# Allegro board MK60_PACK_V10A.brd (continued)
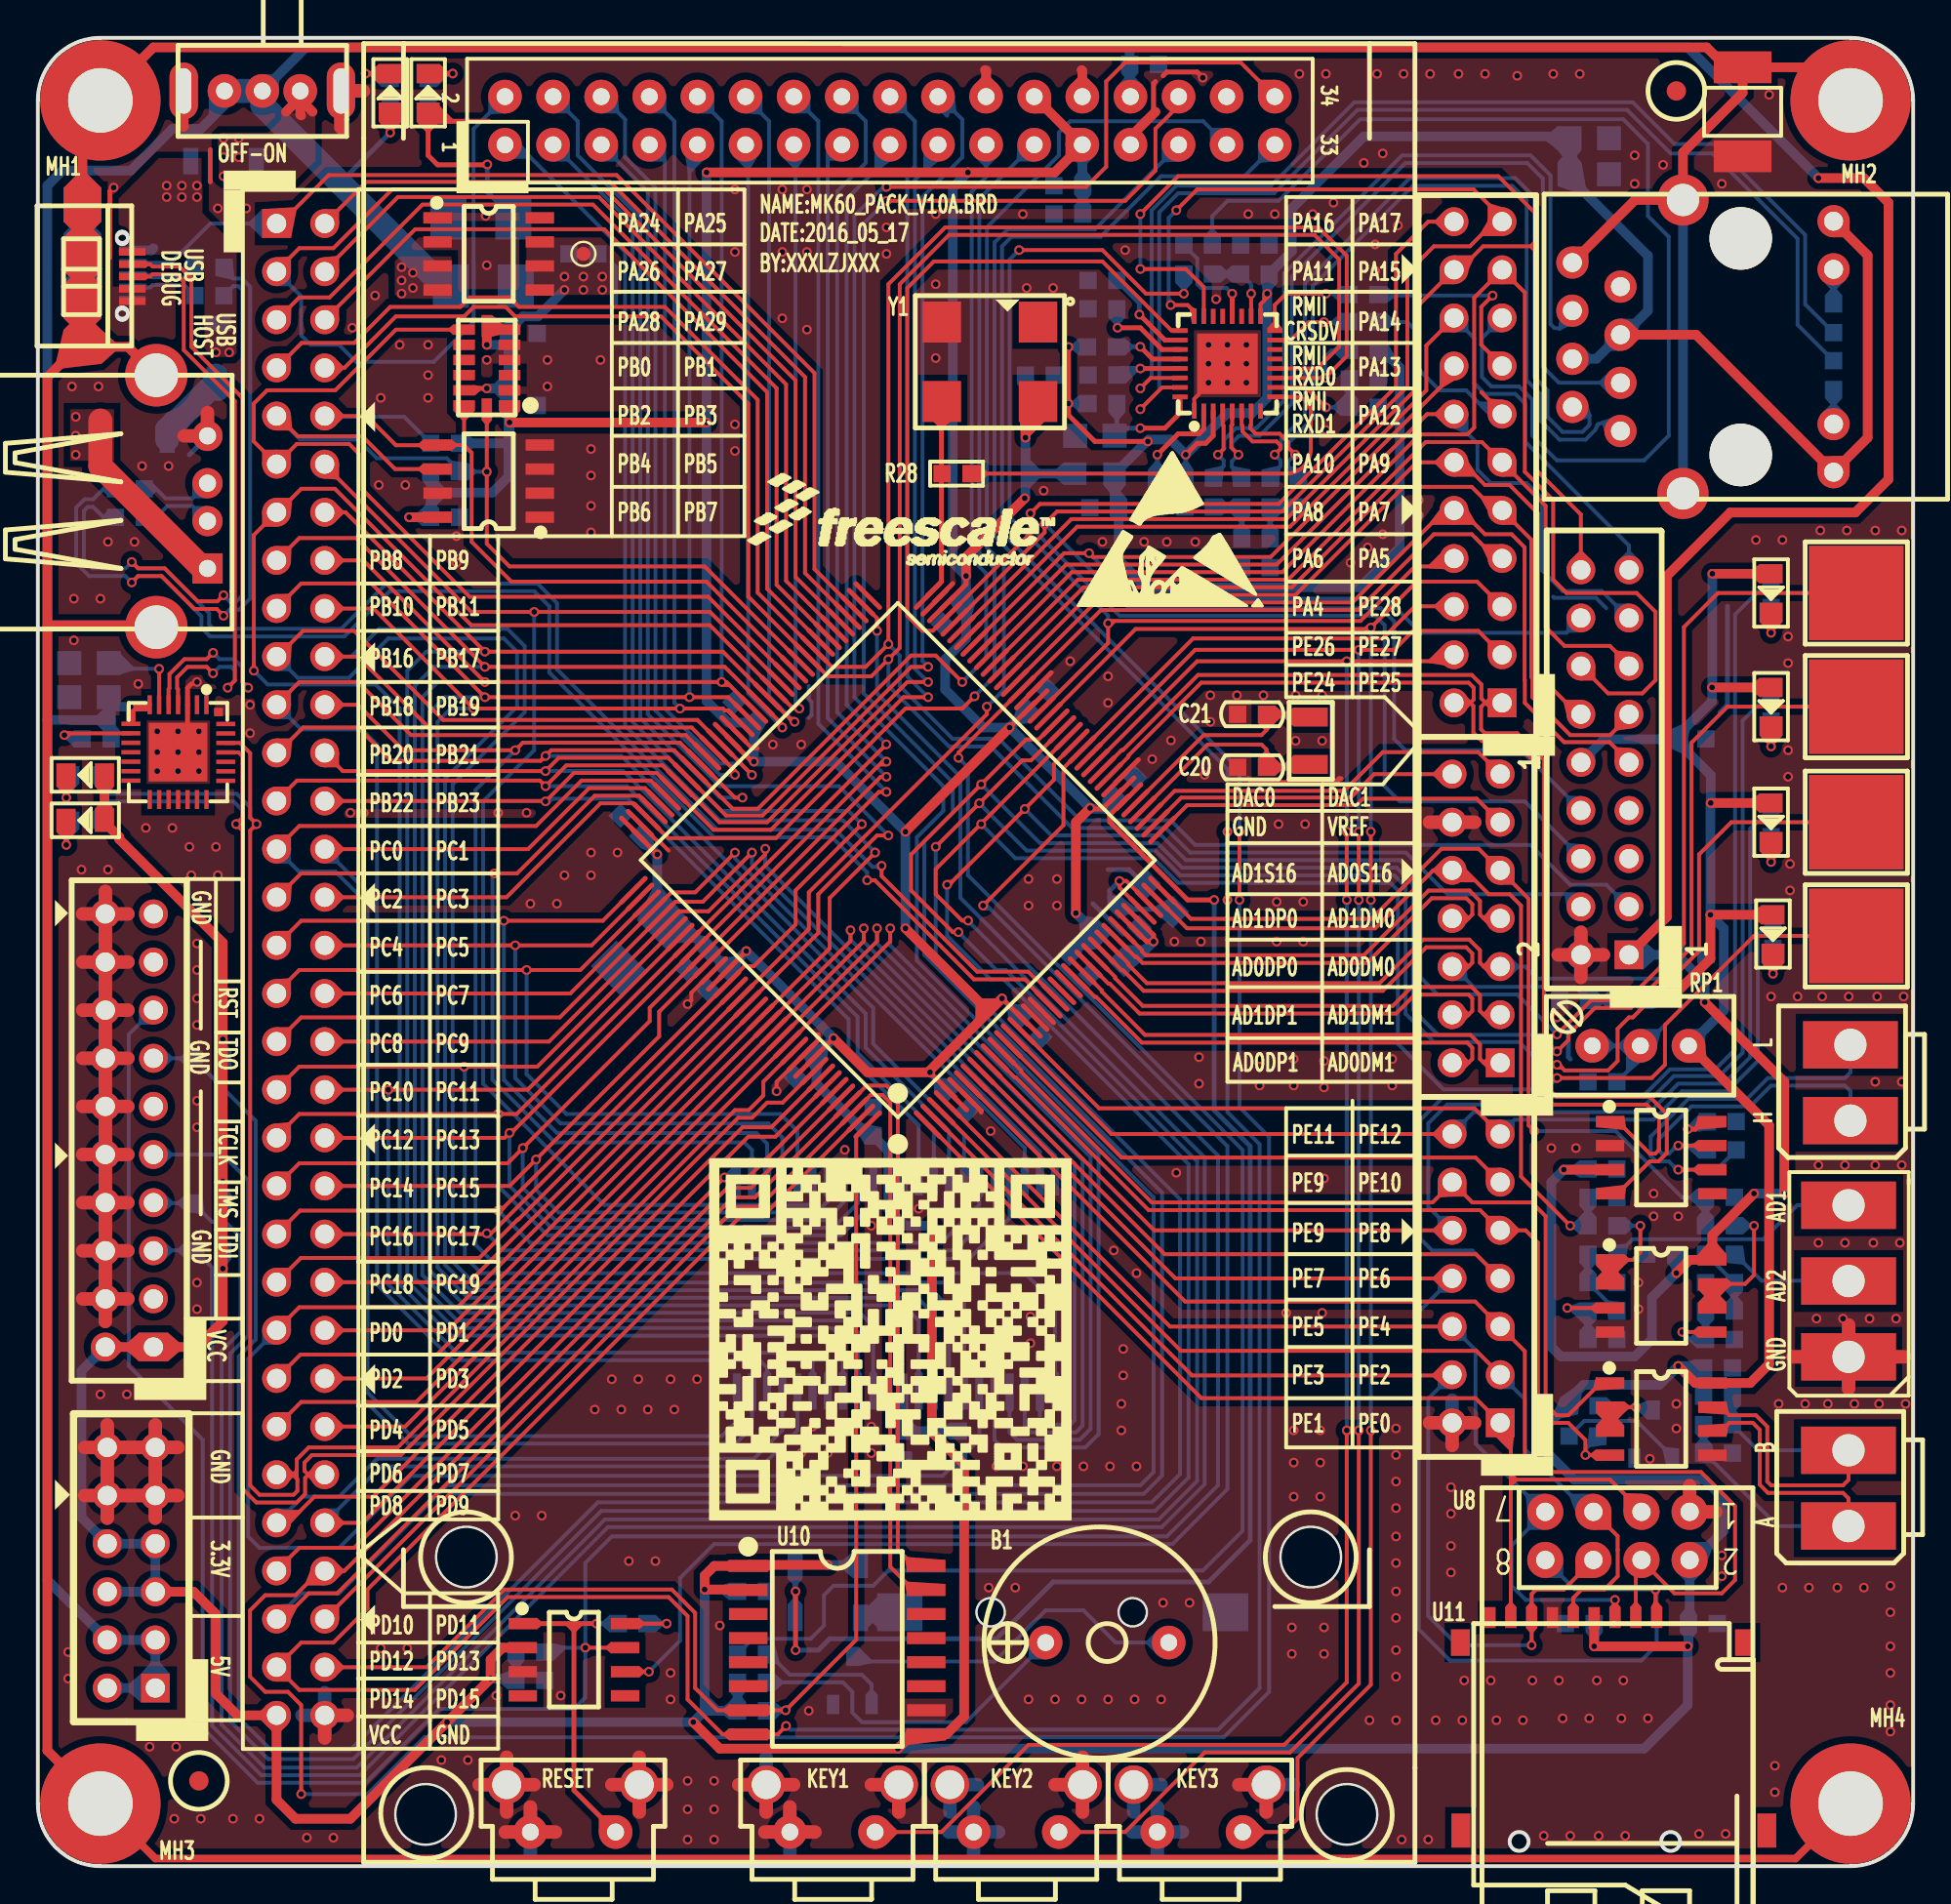
[diagram p0: board, top side]
## Routing (per net, layer and track width the routed paths; a pad name or vN(x,y) marks a point on that pad's centre or on a via; arc(x,y) is an arc through that point) (continued)
  BOTTOM w0.203: v1(52.4,71.4) 52.4,70.7 57.1,66 70.6,66 71.1,65.5 71.1,57 71.9,56.2 78.5,56.2 81.46,53.24 J5.6
RMII0_TXEN: length 91.7
  TOP w0.203: U5.23 61.55,83.35 60.6,84.3 v1(58.2,84.3) ; U2.67 54.56,71.1 65.9,71.1 72.8,78 72.8,82.3 J4.20 75.06,84.26 76.3,85.5 79.1,85.5 ; 79.1,85.5 79.1,73.7 81.46,71.34 J5.18 ; 79.1,85.5 79.1,87.2 77.1,89.2 60.2,89.2 v1(58.2,87.2)
  BOTTOM w0.203: v1(58.2,84.3) v1(58.2,87.2)
RX+: length 46
  TOP w0.203: v1(63.38,74.5) 63,74.88 63,76.03 63.05,76.07 U5.5
  BOTTOM w0.203: J9.3 83.52,78.34 83.33,78.3 80.3,78.3 79.45,79.15 79.45,89.08 78.63,89.89 72.19,89.89 66.2,83.9 66.2,77.2 64.49,75.49 63.41,75.49 63.04,75.13 63.04,74.84 v1(63.38,74.5) 63.04,74.15 63.04,73.86 63.56,73.34 R23.2
RX-: length 42.4
  TOP w0.203: U5.4 62.55,76.07 62.6,76.03 62.6,74.8 v1(62.3,74.5)
  BOTTOM w0.203: R24.2 62.06,73.36 62.6,73.9 62.6,74.2 v1(62.3,74.5) 62.64,74.84 62.64,75.29 63.24,75.9 64.33,75.9 65.79,77.37 65.79,84.07 72.03,90.3 78.8,90.3 79.86,89.24 79.86,81.39 80.06,81.19 80.34,81.16 80.9,81.53 J9.6
SDHC0_CMD: length 54.7
  TOP w0.203: U11.3 v1(83.26,14.05) ; U2.4 59.77,28.48 J7.6
  BOTTOM w0.203: v1(83.26,14.05) 78.55,14.05 77.8,14.8 77.8,16.92 U8.7 79.5,18.7 75.9,22.3 75.9,27.24 J7.6
SDHC0_D0: length 59
  TOP w0.203: U8.6 80.56,14.6 79.1,14.6 78.86,14.36 U11.7 v1(78.86,11.66) ; J7.4 74.62,25.9 60.93,25.9 U2.2
  BOTTOM w0.203: v1(78.86,11.66) 74.94,11.66 73.4,13.2 73.4,24.68 J7.4
SDHC0_D3: length 65.9
  TOP w0.203: U2.7 60.57,29.8 75.88,29.8 J7.5 78.5,27.18 78.5,21.7 79.4,20.8 87.8,20.8 89.6,19 89.6,15.1 88.9,14.4 86.4,14.4 84.66,16.14 ; 84.66,16.14 84.36,15.84 U11.2 ; 84.66,16.14 U8.4
SDHC0_DCLK: length 52.5
  TOP w0.203: U2.3 60.34,27.2 75.94,27.2 J7.3 ; U11.5 81.06,14.16 81.5,14.6 82.7,14.6 83.4,15.3 83.4,16.69 83.4,16.69 83.4,17.42 U8.5
  BOTTOM w0.203: U8.5 81.8,18.7 78.5,22 78.5,24.64 J7.3
SPI2_PCS1: length 64.7
  TOP w0.203: 43.81,39.13 43.2,38.53 43.2,11.95 v1(39.48,8.22) 35.88,8.22 34.7,9.4 34.7,13.37 33.47,14.6 24.63,14.6 20.53,10.5 J1.62
  BOTTOM w0.203: v1(39.48,8.22) 38.49,8.22 R41.1
SPI2_SCK: length 223
  TOP w0.203: J1.59 12.94,13.04 14.3,14.4 15.8,14.4 36.7,35.3 37.85,35.3 U2.141 43.75,41.2 44.8,41.2 45.4,40.6 45.4,16.7 46.26,15.85 U10.16 ; J2.34 63.5,95.2 57.4,95.2 56.4,94.2 56.4,89.7 55.34,88.64 v1(44.8,88.64)
  BOTTOM w0.203: J1.59 12.6,13.1 13.9,14.4 15.9,14.4 21.6,20.1 58.2,20.1 58.9,20.8 58.9,35.3 46.4,47.8 46.4,54.3 47.8,55.7 47.8,57 43.11,61.7 43.11,87.11 44.63,88.64 v1(44.8,88.64)
SPI2_SIN: length 198.6
  TOP w0.203: v1(62.8,54.6) v1(62.8,51) ; U2.143 38.27,34.3 37.1,34.3 17.4,14.6 17.4,13.6 15.6,11.8 13.9,11.8 J1.61 13.8,9.3 19.9,9.3 24.8,14.2 33.3,14.2 34.3,13.2 34.3,8.8 36.15,6.96 39.05,6.96 v1(39.5,7.4)
  BOTTOM w0.203: v1(62.8,51) 62.8,39.8 64.5,38.1 64.5,9.4 62.3,7.2 39.7,7.2 v1(39.5,7.4) ; v1(62.8,54.6) 62.8,57.9 50.5,70.2 50.5,85.7 51.2,86.4 55.8,86.4 60.22,90.82 J2.29
SPI2_SOUT: length 210.6
  TOP w0.203: J2.30 60.22,92.92 59,91.7 59,89.5 57.4,87.9 v1(44.8,87.9) ; J1.60 36.9,34.8 38.06,34.8 U2.142 43.96,40.7 44.59,40.7 44.9,40.39 44.91,40.39 45,40.3 45,15.8 46.22,14.57 U10.15
  BOTTOM w0.203: v1(44.8,87.9) 43.6,86.7 43.6,61.9 48.3,57.2 48.3,55.6 46.8,54.1 46.8,48.1 59.35,35.55 59.35,20.61 58.39,19.65 21.75,19.65 J1.60
SYS_RESET#: length 164.3
  TOP w0.203: U3.7 v1(28.9,11.53) ; U2.74 44.3,65.87 v1(44.3,65.2)
  BOTTOM w0.203: v1(28.9,11.53) 28.9,8.9 28.3,8.3 21.2,8.3 17.3,4.4 11.6,4.4 8.7,7.3 8.7,22.5 4.8,26.4 4.8,43.9 6.08,45.18 J3.15 ; v1(28.9,11.53) 26.99,11.53 R12.1 ; v1(28.9,11.53) 28.9,16 30.3,17.4 59.6,17.4 62.3,20.1 62.3,37.51 48.7,51.11 48.7,57.5 44.3,61.9 v1(44.3,65.2)
TX+: length 46.1
  TOP w0.203: v1(66.38,74.5) 66,74.88 66,75.17 65.56,75.61 64.29,75.61 64,75.9 64,76.03 64.05,76.08 U5.7
  BOTTOM w0.203: J9.1 82.64,76.2 82.37,76.11 82.32,76.06 82.32,76.02 82.21,75.8 81.71,75.29 80.33,75.29 79.29,76.33 79.29,77.73 78.59,78.43 78.59,87.93 77.83,88.69 72.59,88.69 67.3,83.4 67.3,76.4 66.04,75.14 66.04,74.84 v1(66.38,74.5) 66.01,74.14 66.01,73.89 66.56,73.34 R25.2
TX-: length 46.2
  TOP w0.203: v1(65.3,74.5) 65.59,74.8 65.59,75 65.39,75.2 64.13,75.2 63.59,75.73 63.59,76.03 63.55,76.07 U5.6
  BOTTOM w0.203: J9.2 81.92,76.57 81.92,76.11 81.88,76.04 81.54,75.7 80.5,75.7 79.7,76.5 79.7,77.9 79,78.6 79,88.1 78,89.1 72.43,89.1 66.89,83.57 66.89,76.57 65.63,75.31 65.63,74.84 v1(65.3,74.5) 65.6,74.2 65.6,73.9 65.06,73.36 R26.2
UART_RX: length 91.6
  TOP w0.203: U2.133 38.3,41.4 38.3,40.67 37.53,39.91 36.8,39.91 19,22.1 14.3,22.1 13.67,21.47 13.67,20.86 13.46,20.66 ; 13.46,20.66 13.7,20.42 13.7,19.8 13.5,19.6 11.7,19.6 11.21,20.09 11.21,54.66 v1(11.54,55) 11.21,55.34 11.21,58.75 10.67,59.29 U14.26 ; 13.46,20.66 J1.53
  BOTTOM w0.203: v1(11.54,55) 11.21,55.34 11.21,55.89 10.5,56.6 3.57,56.6 3.26,56.91 R53.1
UART_TX: length 91.3
  TOP w0.203: U14.25 10.6,58.79 10.8,58.58 10.8,55.34 v1(10.46,55) 10.8,54.66 10.8,19.93 11.53,19.19 13.67,19.19 14.11,19.63 14.11,20.49 14.28,20.66 ; 14.28,20.66 14.07,20.86 14.07,21.3 14.47,21.69 19.16,21.69 36.97,39.5 37.7,39.5 38.5,40.3 39.32,40.3 U2.136 ; 14.28,20.66 J1.54
  BOTTOM w0.203: R54.1 3.26,55.89 3.57,56.2 10.33,56.2 10.8,55.73 10.8,55.34 v1(10.46,55)
USB_DEBUG_DN: length 33.7
  TOP w0.203: USB1.2 5.93,84.55 6.06,84.43 7.47,84.43 8.11,83.79 8.11,80.19 10.81,77.49 10.81,62.49 v1(11.1,62.2) ; v1(9.25,64.04) 8.91,63.71 7.73,63.71 6.95,62.92 6.95,62.17 6.9,62.13 U14.5
  BOTTOM w0.203: v1(11.1,62.2) 10.81,62.49 10.81,63.27 10.37,63.71 9.59,63.71 v1(9.25,64.04)
USB_DEBUG_DP: length 31.8
  TOP w0.203: v1(10.02,62.2) 10.4,62.58 10.4,77.33 7.7,80.03 7.7,83.63 7.3,84.03 6.06,84.03 5.93,83.9 USB1.3 ; v1(9.25,62.96) 8.91,63.3 7.9,63.3 7.35,62.75 7.35,62.17 7.4,62.13 U14.4
  BOTTOM w0.203: v1(10.02,62.2) 10.4,62.59 10.4,63.1 10.2,63.3 9.59,63.3 v1(9.25,62.96)
USB_DN: length 95
  TOP w0.203: v1(44.54,52.8) 44.54,52.26 49.59,47.21 52.28,47.21 52.6,46.89 52.67,46.89 U2.20 ; v1(4.96,68.84) 5.29,68.5 6.7,68.5 8.44,66.76 9.48,66.76 v1(9.8,67.08)
  BOTTOM w0.203: v1(44.54,52.8) 44.49,52.74 44.07,52.74 42.1,54.71 35.87,54.71 27.41,63.17 27.41,66.67 26.37,67.7 18.4,67.7 16.01,65.31 9.26,65.31 9.04,65.53 9.04,66.13 6.67,68.51 5.29,68.51 v1(4.96,68.84) 4.62,68.5 2.87,68.5 2.43,68.95 2.43,71.54 2.63,71.74 2.92,71.74 3.47,71.19 R58.2 ; v1(9.8,67.08) 10.16,66.72 10.45,66.72 10.8,67.07 10.8,83.19 10.6,83.39 10.31,83.39 R57.2
USB_DP: length 97.3
  TOP w0.203: 53.35,45.5 52.32,46.54 52.32,46.6 52.11,46.81 49.42,46.81 44.19,52.03 v1(43.78,52.03) ; v1(4.96,67.76) 5.29,68.09 6.53,68.09 8.27,66.36 9.44,66.36 v1(9.8,66)
  BOTTOM w0.203: v1(9.8,66) 10.12,66.32 10.62,66.32 11.21,66.91 11.21,83.36 10.77,83.8 10.3,83.8 9.82,84.28 R56.2 ; v1(43.78,52.03) 43.78,52.46 41.93,54.3 35.7,54.3 27,63 27,66.5 26.21,67.29 18.57,67.29 16.18,64.91 9.09,64.91 8.63,65.37 8.63,65.97 6.5,68.1 5.3,68.1 v1(4.96,67.76) 4.62,68.09 2.71,68.09 2.02,68.78 2.02,71.71 2.46,72.15 2.92,72.15 3.47,72.69 R59.2
USB_HOST_DN: length 3.9
  BOTTOM w0.203: R58.1 6.24,71.19 6.84,71.79 8.16,71.79 USB3.2
USB_HOST_DP: length 3.9
  BOTTOM w0.203: USB3.3 8.16,72.2 6.74,72.2 6.24,72.69 R59.1
USB_ID: length 55.7
  TOP w0.203: U2.75 41,68.46 41,78.81 30.55,89.26 15.36,89.26 12.8,86.7 J1.1
  BOTTOM w0.203: 12.7,86.7 J1.1 9.1,86.7 7.03,84.63 USB2.4
USB_OTG_DN: length 3.6
  BOTTOM w0.203: R57.1 7.73,83.46 6.06,83.46 5.93,83.33 USB2.2
USB_OTG_DP: length 3.6
  BOTTOM w0.203: USB2.3 5.93,83.98 6.06,83.86 7.76,83.86 R56.1
VREF: length 19
  TOP w0.203: J6.11 75.96,56.34 69.96,56.34 69.61,56 60.67,56 59.37,54.69
XTAL32: length 11.4
  TOP w0.203: U2.40 61.75,59.2 64.6,59.2 64.86,58.94 C20.2 67.05,58 X1.2
N11460273: length 16.9
  TOP w0.254: 28.3,12.8 U3.1 ; 28.3,12.8 v1(29.5,12.8) ; 28.3,12.8 28.3,4 SW2.3
  BOTTOM w0.254: R13.2 v1(29.5,12.8)
N11482293: length 3.2
  TOP w0.203: U3.8 v1(33.2,12.8)
  BOTTOM w0.203: v1(33.2,12.8) R13.1
N11743922: length 4.7
  TOP w0.203: v1(6.4,63.2) U14.6
  BOTTOM w0.203: v1(6.4,63.2) 4.04,63.2 C45.1
N11743962: length 4.6
  TOP w0.203: U14.9 1.59,59.79 1.5,59.7 v1(1.4,59.7)
  BOTTOM w0.203: R55.1 1.6,59.5 v1(1.4,59.7)
N11748824: length 3.3
  TOP w0.508: 14.5,92.6 13.85,93.25 ; 13.85,93.25 13.85,93.35 ; 13.85,93.25 13.85,92.45 13.9,92.4 ; 13.85,93.35 SW5.2 ; 13.85,93.35 13.1,92.6
  vias: v1(9.8,91.2) v1(9.8,90.2) v1(9.8,89.2) v1(10.6,91.2) v1(10.6,90.2) v1(10.6,89.2)
N11779606: length 18.6
  BOTTOM w0.203: B1.2 56.9,11.8 55.2,13.5 53.2,13.5 50.5,10.8 43.27,10.8 Q1.3
N11779640: length 18
  BOTTOM w0.203: B1.1 49,7.6 43.5,7.6 43,8.1 43,9.2 42.5,9.7 R4.2
N11801739: length 10.3
  TOP w1.27: USB3.1 8.71,68.49 3.3,73.9 3.3,76.3
  vias: v1(2,76.5) v1(2,75.5) v1(2,74.5)
N11830705: length 1.8
  BOTTOM w0.203: R19.1 J9.11
N11830709: length 1.8
  BOTTOM w0.203: R20.1 J9.10
N11831696: length 23
  TOP w0.203: U5.9 66.4,77.55 arc(66.97,77.32) 67.2,76.75 67.2,74.8 arc(66.82,73.88) 65.9,73.5 R28.2
N11839803: length 5.6
  TOP w0.254: v1(63.05,83) U5.20
  BOTTOM w0.203: v1(63.05,83) 62.75,83.3 61.41,83.3 61.21,83.5 61.21,84.85 R21.1
N11839979: length 5.9
  TOP w0.203: v1(68,77) 66.95,78.05 U5.10
  BOTTOM w0.203: v1(68,77) R31.2 C31.1
N11840035: length 4.3
  TOP w0.203: v1(67.9,81.5) 67.1,81.5 66.15,80.55 U5.15
  BOTTOM w0.203: R34.1 69.18,81.5 v1(67.9,81.5)
N11840039: length 5.5
  TOP w0.203: U5.16 65.3,82.4 65.9,83 v1(68,83)
  BOTTOM w0.203: R33.1 69.16,83 v1(68,83)
N11840200: length 5.2
  TOP w0.254: U5.2 61.55,75.85 61.3,75.6 60.2,75.6 v1(59.1,74.5)
  BOTTOM w0.254: C24.1 59.1,73.31 v1(59.1,74.5)
N11841277: length 5
  TOP w0.254: U5.26 59.5,80.55 v1(58.15,81.9)
  BOTTOM w0.254: v1(58.15,81.9) 58.15,82.51 R18.1
N11841284: length 4.8
  TOP w0.254: U5.27 59.35,80.05 58.2,81.2 v1(57,81.2)
  BOTTOM w0.254: v1(57,81.2) 56.96,81.24 R17.1
N11841979: length 6.4
  TOP w0.254: U5.32 60.3,76.7 59.5,75.9 v1(58.2,75.9)
  BOTTOM w0.254: R16.2 56.96,75.62 ; 56.96,75.62 57.24,75.9 v1(58.2,75.9) ; 56.96,75.62 C22.1
N11843085: length 3.2
  BOTTOM w0.203: C29.1 R23.1 R24.1
N11843109: length 3.2
  BOTTOM w0.203: C30.1 R26.1 R25.1
N11846041: length 5.7
  TOP w0.203: U13.3 U13.2 v1(84.37,24.23)
  BOTTOM w0.203: R49.2 82.43,24.23 v1(84.37,24.23) 85.14,24.23 Q2.3
N11846725: length 18.3
  TOP w0.203: U12.7 v1(86.6,38.03)
  BOTTOM w0.203: R47.1 88.1,37.8 87.9,38 86.63,38 v1(86.6,38.03) 86.53,38.03 86.1,37.6 85.75,37.6 85.54,37.8 85.54,38.34 87.3,40.1 90.4,40.1 91.5,41.2 95.4,41.2 95.69,40.91 J11.1
N11846749: length 21.5
  TOP w0.203: U12.6 v1(86.6,36.76)
  BOTTOM w0.203: J11.2 95.69,41.89 95.4,41.6 91.33,41.6 90.23,40.5 87.13,40.5 85.14,38.51 85.14,37.49 85.43,37.2 86.1,37.2 86.54,36.76 v1(86.6,36.76) 88.62,36.76 R47.2
N11846819: length 2.7
  TOP w0.254: U12.8 87.9,39.3 87.5,38.9 v1(87.1,38.9)
  BOTTOM w0.254: v1(87.1,38.9) 87.74,38.9 R46.1
N11847009: length 20.5
  TOP w0.203: U13.7 88.87,24.23 89.3,23.8 90.7,23.8 91.3,23.2 91.3,20.3 91.5,20.1 95.3,20.1 95.59,20.39 J12.2
  BOTTOM w0.203: R48.1 R50.1 90.81,21.95 J12.2
N11847033: length 22.9
  TOP w0.203: J12.1 95.59,19.41 95.3,19.7 91.34,19.7 90.9,20.14 90.9,23.03 90.53,23.4 89.3,23.4 88.86,22.96 U13.6
  BOTTOM w0.203: R50.2 R51.1 88,21.8 91.85,17.95 J12.1
N11849856: length 6.7
  BOTTOM w0.203: Q2.1 86.32,21.58 84.4,23.5 81.64,23.5 R52.1
N11851653: length 3.6
  BOTTOM w0.203: R38.2 R40.2 83.34,29.3 R39.1
N11851673: length 4.9
  TOP w0.203: U9.3 v1(80.74,29.46)
  BOTTOM w0.203: v1(80.74,29.46) 81.68,29.46 R39.2 C37.2
N11851788: length 5.7
  TOP w0.203: U9.2 U9.1 84.2,32 84.6,32.4 v1(84.6,33.8)
  BOTTOM w0.203: v1(84.6,33.8) R37.1
N11852378: length 3.6
  BOTTOM w0.203: R43.2 88.06,32.3 R45.2 R44.1
N11852390: length 4.5
  TOP w0.203: U9.5 v1(86.81,28.19)
  BOTTOM w0.203: R44.2 C40.2 87.2,27.8 v1(86.81,28.19)
N11852402: length 7.3
  TOP w0.203: U9.6 U9.7 90.13,30.73 90.6,31.2 v1(90.6,33.8)
  BOTTOM w0.203: v1(90.6,33.8) R42.1
N117249410: length 2.2
  BOTTOM w0.254: D6.1 43.43,13.15 43.68,13.4 U4.1
N117439961: length 2.5
  TOP w0.203: D7.2 1.5,57.58 v1(1.5,56.4)
  BOTTOM w0.203: R53.2 1.7,57.6 1.5,57.4 v1(1.5,56.4)
N117484001: length 2.7
  TOP w0.203: D8.2 1.48,53.92 v1(1.5,53.9)
  BOTTOM w0.203: R54.2 1.7,55.2 1.5,55 v1(1.5,53.9)
N117792531: length 7.3
  BOTTOM w0.203: Q1.1 44.02,9.58 43.5,10.1 39.7,10.1 38.6,11.2 R6.2
N118213551: length 2.4
  TOP w0.203: v1(91.5,65.1) D1.2
  BOTTOM w0.203: R2.1 v1(91.5,65.1)
N118221931: length 2.4
  TOP w0.203: v1(91.5,59.1) D2.2
  BOTTOM w0.203: R3.1 v1(91.5,59.1)
N118222651: length 2.4
  TOP w0.203: v1(91.5,53) D3.2
  BOTTOM w0.203: R5.1 v1(91.5,53)
N118223381: length 2.4
  TOP w0.203: v1(91.6,47.1) D4.2
  BOTTOM w0.203: R7.1 v1(91.6,47.1)
N124224871: length 2.7
  TOP w0.254: D11.2 v1(21.9,94.62)
  BOTTOM w0.254: R60.2 20.85,94.62 v1(21.9,94.62)
N124285301: length 2.7
  TOP w0.254: D12.2 v1(17.3,94.62)
  BOTTOM w0.254: v1(17.3,94.62) 18.35,94.62 R61.2

## Copper pours and planes (outline as drawn; the poured copper is in the pictures)
GND_EARTH on TOP (solid shape): 2.22,89.44 2.35,89.48 2.49,89.44 3.35,88.59 2.35,87.63 1.36,88.59
GND_EARTH on TOP (solid shape): 2.22,86.84 2.35,86.88 2.49,86.84 3.35,85.99 2.35,85.03 1.36,85.99
GND_EARTH on TOP (solid shape): 2.22,84.34 2.35,84.38 2.49,84.34 3.35,83.49 2.35,82.53 1.36,83.49
GND_EARTH on TOP (solid shape): 2.22,81.94 2.35,81.98 2.49,81.94 3.35,81.09 2.35,80.13 1.36,81.09
GND_EARTH on TOP (solid shape): 3.35,86.79 2.49,85.95 2.35,85.91 2.22,85.95 1.36,86.79 2.35,87.76
GND_EARTH on TOP (solid shape): 3.35,84.19 2.49,83.35 2.35,83.31 2.22,83.35 1.36,84.19 2.35,85.16
GND_EARTH on TOP (solid shape): 3.35,81.69 2.49,80.85 2.35,80.81 2.22,80.85 1.36,81.69 2.35,82.66
GND_EARTH on TOP (solid shape): 4.2,80.34 4.24,80.19 4.2,80.05 3.35,79.29 2.29,80.19 3.35,81.09
GND_EARTH on TOP (solid shape): 2.4,80.23 3.35,79.29 1.19,79.04 1.01,79.12 0.94,79.32 1.35,81.09
GND_EARTH on BOTTOM (solid shape): 2.22,87.04 2.35,87.08 2.49,87.04 3.35,86.19 2.35,85.23 1.36,86.19
GND_EARTH on BOTTOM (solid shape): 2.22,84.54 2.35,84.58 2.49,84.54 3.35,83.69 2.35,82.73 1.36,83.69
GND_EARTH on BOTTOM (solid shape): 2.22,81.94 2.35,81.98 2.49,81.94 3.35,81.09 2.35,80.13 1.36,81.09
GND_EARTH on BOTTOM (solid shape): 3.35,86.79 2.49,85.95 2.35,85.91 2.22,85.95 1.36,86.79 2.35,87.76
GND_EARTH on BOTTOM (solid shape): 3.35,84.39 2.49,83.55 2.35,83.51 2.22,83.55 1.36,84.39 2.35,85.36
GND_EARTH on BOTTOM (solid shape): 3.35,81.89 2.49,81.05 2.35,81.01 2.22,81.05 1.36,81.89 2.35,82.86
GND_EARTH on BOTTOM (solid shape): 4.2,80.34 4.24,80.19 4.2,80.05 3.35,79.29 2.29,80.19 3.35,81.09
VCC_3V3 on TOP (solid shape): 6.16,27.4 5.34,26.64 4.62,27.26 4.58,27.4 4.62,27.54 5.34,28.16
VCC_3V3 on TOP (solid shape): 7.58,27.54 7.62,27.4 7.58,27.26 6.86,26.64 6.04,27.4 6.86,28.16
VCC_3V3 on TOP (solid shape): 21.94,92.18 21.96,92.05 21.85,91.97 19.99,92.08 20.57,92.6 21.08,93.04
VCC_3V3 on TOP (solid shape): 47.14,7.03 47.91,6.64 45.84,6.38 45.65,6.46 45.58,6.66 45.88,7.27
VCC_3V3 on TOP (solid shape): 50.42,45.23 50.07,44.88 49.5,44.65 49.5,45.55 49.57,45.73 49.75,45.8 50.65,45.8
VCC_3V3 on TOP (solid shape): 53.13,76.23 52.27,75.38 52.06,75.35 51.9,75.51 51.82,76.47 52.82,77.37
VCC_3V3 on BOTTOM (solid shape): 34.39,49.82 35.02,49.09 35.02,48.87 34.85,48.73 33.64,48.73 33.04,49.83
VCC_3V3 on BOTTOM (solid shape): 88.16,17.11 88.37,17 88.4,16.77 88.14,16.07 87.15,16.12 87.2,17.11
VCC_3V3 on TOP: 25.79,86.23 29.49,86.23 30.79,84.93 30.79,82.93 25.79,82.93
VCC_3V3 on BOTTOM: 24.2,85.8 26.5,85.8 27.3,85 27.3,82.8 30.1,82.8 30.1,84 29.8,84.3 28.8,84.3 28.5,84.6 28.5,86.9 27.2,88.2 24.2,88.2
VCC_5V on BOTTOM (solid shape): 9.85,92.95 9.27,92.37 9.02,92.37 9.02,93.64 9.88,93.76
VCC_5V on BOTTOM (solid shape): 6.06,10.88 6.2,10.92 6.34,10.88 6.96,10.16 6.2,9.34 5.44,10.16
VCC_5V on BOTTOM (solid shape): 6.26,9.4 5.44,8.64 4.72,9.26 4.68,9.4 4.72,9.54 5.44,10.16
VCC_5V on BOTTOM (solid shape): 85.48,48.24 85.52,48.1 85.48,47.96 84.76,47.34 83.94,48.1 84.76,48.86
VCC_5V on TOP: 21.84,84.97 18.94,84.97 18.84,84.87 18.84,82.97 19.34,82.47 21.84,82.47
VCC_5V on BOTTOM: 22.73,82.29 19.33,82.29 18.73,82.89 18.73,85.19 19.53,85.99 21.23,84.29 22.73,84.29
VCC_KSZ8041 on BOTTOM (solid shape): 81.75,88.51 81.66,88.32 81.46,88.25 80.22,88.67 80.82,89.35 81.49,89.94
VCC_VUSB on TOP: 8.99,79.66 8.79,79.86 8.79,84.16 7.89,85.06 4.29,85.06 4.09,85.26 4.09,85.65 4.9,86.06 4.09,86.47 4.09,87.86 6.39,90.16 8.69,90.16 8.69,87.26 10.49,85.46 10.49,79.86 10.29,79.66
VCC_VUSB on BOTTOM: 8.6,80.2 8.6,77.5 10.4,77.5 10.4,80.2
VCC_VUSB on BOTTOM: 6.5,89.4 6.5,87.8 8.8,87.8 8.8,90.8 7.9,90.8
(no net) on TOP: 3.3,0 0,3.3 0,93.2 3.3,96.5 95.7,96.5 99,93.2 99,88.2 79.6,88.2 79.6,72.2 99,72.2 99,3.3 95.7,0 ; 177 cut-outs
(no net) on BOTTOM: 3.3,0 0,3.3 0,93.2 3.3,96.5 95.7,96.5 99,93.2 99,88.2 79.6,88.2 79.6,72.2 99,72.2 99,3.3 95.7,0 ; 98 cut-outs
SPI2_SCK on TOP (solid shape): 47.91,16.16 46.99,15.81 45.88,15.53 45.78,16.22 45.81,16.29 45.89,16.32
SPI2_SOUT on TOP (solid shape): 47.91,14.89 47,14.54 45.88,14.26 45.78,14.92 45.81,14.99 45.88,15.02
USB_ID on TOP (solid shape): 13.56,87.56 13.64,87.53 13.66,87.45 13.36,85.94 12.58,86.68 11.84,87.46
USB_ID on BOTTOM (solid shape): 12.63,86.7 11.84,85.94 11.12,86.64 11.1,86.7 11.12,86.77 11.84,87.46
N11748824 on TOP: 9.5,91.35 9.65,91.5 12.15,91.5 12.85,92.2 12.85,93.6 13.55,94.3 14.15,94.3 14.65,93.8 14.65,90 13.55,88.9 9.8,88.9 9.5,89.2
N11748824 on BOTTOM: 12,89.2 12,91.1 11.6,91.5 9.7,91.5 9.2,91 9.2,89.4 9.7,88.9 11.7,88.9
N11749417 on BOTTOM: 10.5,81 4.1,81 3.8,81.3 3.8,82.5 4.1,82.8 6.8,82.8 7.6,82 10.5,82 ; 1 cut-out
N11801739 on TOP: 1.7,76.9 1.7,74.18 4.02,74.18 4.02,76.9
N11801739 on BOTTOM: 4,74.2 4,76.9 1.7,76.9 1.7,74.2
N117249410 on BOTTOM (solid shape): 45.53,13.4 44.3,12.6 43.58,13.32 43.55,13.4 43.58,13.48 44.3,14.2
GND on TOP (solid shape): 49.88,94.48 50.06,94.55 50.24,94.48 50.69,94.03 50.06,93.34 49.43,94.03
GND on TOP (solid shape): 54.96,94.48 55.14,94.55 55.32,94.48 55.77,94.03 55.14,93.34 54.51,94.03
GND on BOTTOM (solid shape): 49.88,94.48 50.06,94.55 50.24,94.48 50.69,94.03 50.06,93.34 49.43,94.03
GND on BOTTOM (solid shape): 54.96,94.48 55.14,94.55 55.32,94.48 55.77,94.03 55.14,93.34 54.51,94.03
VCC_3V3 on TOP (solid shape): 3.4,56.29 3.52,56.32 3.63,56.29 4.02,55.81 3.52,55.14 3.01,55.81
VCC_3V3 on TOP (solid shape): 4.02,56.99 3.63,56.51 3.52,56.48 3.4,56.51 3.01,56.99 3.52,57.66
VCC_3V3 on TOP (solid shape): 21.21,92.08 20.68,91.49 20.6,91.47 20.52,91.49 19.99,92.08 20.6,92.62
VCC_3V3 on TOP (solid shape): 91.56,68.22 90.89,67.71 90.41,68.1 90.38,68.22 90.41,68.33 90.89,68.72
VCC_3V3 on TOP (solid shape): 91.56,62.22 90.89,61.71 90.41,62.1 90.38,62.22 90.41,62.33 90.89,62.72
VCC_3V3 on TOP (solid shape): 91.56,56.12 90.89,55.61 90.41,56 90.38,56.12 90.41,56.23 90.89,56.62
VCC_3V3 on TOP (solid shape): 91.66,50.22 90.99,49.71 90.51,50.1 90.48,50.22 90.51,50.33 90.99,50.72
VCC_3V3 on TOP (solid shape): 25.47,76.83 25.02,76.28 24.9,76.25 24.78,76.28 24.33,76.83 24.9,77.16
VCC_3V3 on TOP (solid shape): 4.46,27.58 4.53,27.4 4.46,27.22 4.1,26.86 3.5,27.4 4.1,27.94
VCC_3V3 on TOP (solid shape): 7.1,14.66 7.17,14.48 7.1,14.3 6.74,13.94 6.14,14.48 6.74,15.02
VCC_3V3 on TOP (solid shape): 12.66,7.96 12.06,7.42 11.7,7.78 11.63,7.96 11.7,8.14 12.06,8.5
VCC_3V3 on TOP (solid shape): 13.14,7.42 12.78,7.06 12.6,6.99 12.42,7.06 12.06,7.42 12.6,8.02
VCC_3V3 on TOP (solid shape): 24.7,81.24 24.74,81.05 24.64,80.89 23.98,80.73 23.64,81.32 23.98,81.87
VCC_3V3 on BOTTOM (solid shape): 43.49,15.9 43.03,15.2 42.37,15.76 42.33,15.9 42.37,16.04 43.03,16.6
VCC_3V3 on BOTTOM (solid shape): 54.82,73.5 54.16,72.9 53.6,73.37 53.56,73.5 53.6,73.63 54.16,74.1
VCC_3V3 on BOTTOM (solid shape): 4.56,17.2 4.63,17.02 4.56,16.84 4.2,16.48 3.6,17.02 4.2,17.56
VCC_3V3 on BOTTOM (solid shape): 4.56,14.66 4.63,14.48 4.56,14.3 4.2,13.94 3.6,14.48 4.2,15.02
VCC_3V3 on BOTTOM (solid shape): 6.02,15.38 6.2,15.45 6.38,15.38 6.74,15.02 6.2,14.42 5.66,15.02
VCC_3V3 on BOTTOM (solid shape): 6.26,17.02 5.66,16.48 5.3,16.84 5.23,17.02 5.3,17.2 5.66,17.56
VCC_3V3 on BOTTOM (solid shape): 6.26,14.48 5.66,13.94 5.3,14.3 5.23,14.48 5.3,14.66 5.66,15.02
VCC_3V3 on BOTTOM (solid shape): 6.74,16.48 6.38,16.12 6.2,16.05 6.02,16.12 5.66,16.48 6.2,17.08
VCC_3V3 on BOTTOM (solid shape): 38.49,60.36 37.98,59.5 37.79,59.42 37.61,59.51 37.19,60.36 37.84,60.42
VCC_3V3 on BOTTOM (solid shape): 41.69,42.74 41.3,41.87 41.11,41.78 40.92,41.85 40.39,42.74 41.03,42.8
VCC_3V3 on BOTTOM (solid shape): 55.77,90.23 55.32,89.78 55.14,89.71 54.96,89.78 54.51,90.23 55.14,90.92
VCC_3V3 on BOTTOM (solid shape): 55.86,48.39 54.85,48.32 54.68,48.43 54.64,48.62 55.02,49.24 55.92,49.27
VCC_3V3 on BOTTOM (solid shape): 87.87,15.49 87.38,14.99 87.2,14.92 87.02,14.99 86.53,15.49 87.2,16.22
VCC_3V3 on BOTTOM (solid shape): 21.55,72.68 21.63,72.5 21.55,72.32 20.92,71.69 20.67,72.25 20.67,72.75 20.92,73.31
VCC_3V3 on BOTTOM (solid shape): 24.9,78.25 24.9,77.75 24.66,77.19 24.02,77.82 23.95,78 24.02,78.18 24.66,78.81
VCC_3V3 on BOTTOM (solid shape): 25.26,81.75 25.46,81.69 25.55,81.5 25.3,80.44 24.8,80.85 24.38,81.36
VCC_3V3 on BOTTOM (solid shape): 32.49,51.69 32.68,51.8 32.88,51.73 34.58,49.67 33.11,49.74 31.62,49.93
VCC_3V3 on BOTTOM (solid shape): 44.56,39 44.15,38.5 43.64,38.08 43.16,38.93 43.2,39.15 43.4,39.25
VCC_3V3 on BOTTOM (solid shape): 48.82,67.63 49.03,67.7 49.22,67.58 49.49,66.64 48.83,66.58 48.19,66.64
VCC_3V3 on BOTTOM (solid shape): 49.49,66.64 49.22,65.7 49.03,65.58 48.82,65.65 48.19,66.64 48.83,66.7
VCC_3V3 on BOTTOM (solid shape): 52.95,73.68 53.03,73.5 52.95,73.32 52.32,72.69 52.07,73.25 52.07,73.75 52.32,74.31
VCC_3V3 on BOTTOM (solid shape): 80.89,24.34 81.3,23.84 80.24,23.59 80.05,23.68 79.99,23.88 80.38,24.76
VCC_3V3 on BOTTOM (solid shape): 86.96,60.35 87.16,60.29 87.25,60.1 87,59.04 86.5,59.45 86.08,59.96
VCC_3V3 on BOTTOM (solid shape): 87.25,58.9 87.16,58.71 86.96,58.65 86.08,59.04 86.5,59.55 87,59.96
VCC_3V3 on BOTTOM (solid shape): 81.21,25.33 81.44,25.3 81.55,25.1 81.3,23.84 80.81,24.25 80.38,24.76
VCC_5V on TOP (solid shape): 19.21,92.08 18.68,91.49 18.6,91.47 18.52,91.49 17.99,92.08 18.6,92.62
VCC_5V on TOP (solid shape): 88.26,33.01 88.4,33.05 88.54,33.01 89.15,32.3 88.4,31.94 87.65,32.3
VCC_5V on BOTTOM (solid shape): 4.56,12.12 4.63,11.94 4.56,11.76 4.2,11.4 3.6,11.94 4.2,12.48
VCC_5V on BOTTOM (solid shape): 4.56,9.58 4.63,9.4 4.56,9.22 4.2,8.86 3.6,9.4 4.2,9.94
VCC_5V on BOTTOM (solid shape): 6.26,11.94 5.66,11.4 5.3,11.76 5.23,11.94 5.3,12.12 5.66,12.48
VCC_5V on BOTTOM (solid shape): 6.74,11.4 6.38,11.04 6.2,10.97 6.02,11.04 5.66,11.4 6.2,12
VCC_5V on BOTTOM (solid shape): 57.44,94.5 57.63,94.59 57.82,94.52 58.31,94.03 57.68,93.34 57.04,94.01
VCC_5V on BOTTOM (solid shape): 3.93,60.75 3.93,60.25 3.68,59.69 3.05,60.32 2.97,60.5 3.05,60.68 3.68,61.31
VCC_KSZ8041 on TOP (solid shape): 84.57,81.01 84.65,80.83 84.57,80.65 84.15,80.23 83.49,80.83 84.15,81.43
VCC_KSZ8041 on BOTTOM (solid shape): 57.44,72.9 56.97,72.34 56.84,72.31 56.71,72.34 56.24,72.9 56.84,73.56
VCC_KSZ8041 on BOTTOM (solid shape): 80.73,90.53 80.86,90.57 80.99,90.53 81.49,89.94 80.86,89.24 80.22,89.94
VCC_KSZ8041 on BOTTOM (solid shape): 80.92,91.2 80.22,90.56 79.62,91.07 79.59,91.2 79.62,91.33 80.22,91.83
VCC_KSZ8041 on BOTTOM (solid shape): 81.49,90.56 80.99,89.97 80.86,89.93 80.73,89.97 80.22,90.56 80.86,91.26
VCC_KSZ8041 on BOTTOM (solid shape): 82.03,79.74 82.11,79.56 82.03,79.38 81.61,78.96 80.95,79.56 81.61,80.16
VCC_KSZ8041 on BOTTOM (solid shape): 71.7,79.61 71.66,79.39 71.46,79.29 70.3,79.54 70.71,80.03 71.22,80.46
VCC_KSZ8041 on BOTTOM (solid shape): 56.59,72.63 56.74,72.81 56.98,72.8 57.52,72.16 57.08,71.64 56.6,71.24
VDDA3V3 on BOTTOM (solid shape): 58.52,48.62 58.71,48.46 58.67,48.21 57.34,46.92 57.28,47.73 57.34,48.61
VSSA on BOTTOM (solid shape): 57.94,50.59 57.97,50.49 57.92,50.39 57.06,49.99 57.03,50.64 57.06,51.29
VSSA on BOTTOM (solid shape): 59.97,50.36 59.94,49.52 58.87,50.41 58.83,50.51 58.88,50.6 59.94,51.21
485_R on TOP (solid shape): 83.1,25.54 83.75,25.2 82.2,25.1 82.13,25.13 82.1,25.21 82.25,25.8
485_T on TOP (solid shape): 78.21,33.63 78.24,33.56 78.21,33.49 77.74,33.02 77.17,33.56 77.74,34.1
485_T on BOTTOM (solid shape): 82.38,22.72 82.82,22.24 81.91,22.1 81.83,22.13 81.8,22.2 81.9,23.16
A4 on TOP (solid shape): 64.79,1.87 64.82,1.8 64.79,1.73 64.23,1.17 63.57,1.8 64.23,2.43
A7 on TOP (solid shape): 74.78,71.57 74.76,70.8 73.6,70.8 73.51,70.85 73.52,70.96 74.02,71.62
A9 on TOP (solid shape): 74.79,74.1 74.22,73.56 73.75,74.03 73.72,74.1 73.75,74.17 74.22,74.64
A12 on TOP (solid shape): 74.79,76.64 74.22,76.1 73.75,76.57 73.72,76.64 73.75,76.71 74.22,77.18
A14 on BOTTOM (solid shape): 83.93,69.43 84,69.46 84.07,69.43 84.54,68.96 84,68.39 83.46,68.96
AD1 on TOP (solid shape): 74.69,52.56 74.12,52.02 73.65,52.49 73.62,52.56 73.65,52.63 74.12,53.1
ADC0_DM0 on BOTTOM (solid shape): 78.21,47.55 78.24,47.48 78.21,47.41 77.74,46.94 77.17,47.48 77.74,48.02
ADC0_DM0 on BOTTOM (solid shape): 83.23,43.39 83.26,43.3 83.23,43.21 82.69,42.67 82.03,43.3 82.69,43.93
ADC0_DM0 on BOTTOM (solid shape): 84.63,43.3 83.97,42.67 83.43,43.21 83.4,43.3 83.43,43.39 83.97,43.93
ADC0_DM0 on BOTTOM (solid shape): 85.59,44.19 85.67,44.15 85.69,44.06 85.49,43.27 84.58,43.28 84.6,44.19
ADC0_DM0 on BOTTOM (solid shape): 84.65,42.45 84.01,41.91 83.9,41.89 83.85,41.99 83.85,43.17 84.61,43.32
ADIN1 on BOTTOM (solid shape): 83.86,32.86 83.93,32.83 83.96,32.75 83.82,31.84 83.34,32.28 82.9,32.76
ADIN2 on BOTTOM (solid shape): 90.16,31.85 90.13,31.77 90.06,31.74 89.1,31.84 89.54,32.32 90.02,32.76
B6 on BOTTOM (solid shape): 40.54,90.25 40.08,89.59 40.01,89.55 39.93,89.57 39.27,90.23 39.9,90.89
B7 on TOP (solid shape): 16.15,71.53 16.18,71.46 16.15,71.39 15.68,70.92 15.11,71.46 15.68,72
B8 on BOTTOM (solid shape): 38,90.25 37.59,89.55 37.51,89.51 37.43,89.53 36.73,90.23 37.36,90.89
B9 on TOP (solid shape): 16.15,68.99 16.18,68.92 16.15,68.85 15.68,68.38 15.11,68.92 15.68,69.46
B10 on BOTTOM (solid shape): 35.33,90.23 34.47,89.37 34.37,89.35 34.3,89.43 34.18,90.29 34.83,90.88
B11 on TOP (solid shape): 16.15,66.45 16.18,66.38 16.15,66.31 15.68,65.84 15.11,66.38 15.68,66.92
B17 on TOP (solid shape): 16.15,63.91 16.18,63.84 16.15,63.77 15.68,63.3 15.11,63.84 15.68,64.38
B17 on BOTTOM (solid shape): 16.15,63.91 16.18,63.84 16.15,63.77 15.68,63.3 15.11,63.84 15.68,64.38
B19 on TOP (solid shape): 16.15,61.37 16.18,61.3 16.15,61.23 15.68,60.76 15.11,61.3 15.68,61.84
B20 on BOTTOM (solid shape): 50.69,90.23 50.13,89.67 50.06,89.64 49.99,89.67 49.43,90.23 50.06,90.89
B22 on BOTTOM (solid shape): 47.57,90.01 46.91,89.47 46.81,89.46 46.75,89.55 46.75,90.74 47.53,90.88
B23 on TOP (solid shape): 16.15,56.29 16.18,56.22 16.15,56.15 15.68,55.68 15.11,56.22 15.68,56.76
BL on TOP (solid shape): 16.15,51.21 16.18,51.14 16.15,51.07 15.68,50.6 15.11,51.14 15.68,51.68
C1 on TOP (solid shape): 16.15,53.75 16.18,53.68 16.15,53.61 15.68,53.14 15.11,53.68 15.68,54.22
C5 on TOP (solid shape): 16.15,48.67 16.18,48.6 16.15,48.53 15.68,48.06 15.11,48.6 15.68,49.14
C7 on TOP (solid shape): 16.15,46.13 16.18,46.06 16.15,45.99 15.68,45.52 15.11,46.06 15.68,46.6
C9 on TOP (solid shape): 16.15,43.59 16.18,43.52 16.15,43.45 15.68,42.98 15.11,43.52 15.68,44.06
C11 on TOP (solid shape): 16.15,41.05 16.18,40.98 16.15,40.91 15.68,40.44 15.11,40.98 15.68,41.52
C12 on BOTTOM (solid shape): 45.03,90 44.32,89.48 44.22,89.47 44.16,89.56 44.16,90.79 44.99,90.88
C13 on TOP (solid shape): 16.15,38.51 16.18,38.44 16.15,38.37 15.68,37.9 15.11,38.44 15.68,38.98
C15 on TOP (solid shape): 16.15,35.97 16.18,35.9 16.15,35.83 15.68,35.36 15.11,35.9 15.68,36.44
C17 on TOP (solid shape): 16.15,33.43 16.18,33.36 16.15,33.29 15.68,32.82 15.11,33.36 15.68,33.9
C19 on TOP (solid shape): 16.15,30.89 16.18,30.82 16.15,30.75 15.68,30.28 15.11,30.82 15.68,31.36
CAN_RX on TOP (solid shape): 83.75,35.95 83.82,35.92 83.85,35.85 83.75,35.19 82.91,35.45 82.25,35.79
CAN_TX on TOP (solid shape): 83.85,38.96 83.82,38.88 83.75,38.85 82.25,39 82.91,39.34 83.75,39.6
CE on TOP (solid shape): 77.92,22.73 77.86,21.98 77.79,21.91 77.7,21.92 76.98,22.64 77.19,23.42
CLK_50M on TOP (solid shape): 48.15,76.23 47.78,75.87 47.72,75.85 47.66,75.87 47.29,76.23 47.72,77.34
CONFIG1 on BOTTOM (solid shape): 58.06,79.18 58.17,79.1 58.15,78.97 57.42,78.24 56.93,78.69 56.5,79.16
D1 on TOP (solid shape): 16.15,28.35 16.18,28.28 16.15,28.21 15.68,27.74 15.11,28.28 15.68,28.82
D1 on BOTTOM (solid shape): 26.05,90.29 26.07,90.18 25.98,90.12 24.81,90.12 24.64,90.87 25.51,90.92
D3 on TOP (solid shape): 16.15,25.81 16.18,25.74 16.15,25.67 15.68,25.2 15.11,25.74 15.68,26.28
D5 on TOP (solid shape): 16.15,23.27 16.18,23.2 16.15,23.13 15.68,22.66 15.11,23.2 15.68,23.74
D9 on TOP (solid shape): 16.15,18.19 16.18,18.12 16.15,18.05 15.68,17.58 15.11,18.12 15.68,18.66
D11 on TOP (solid shape): 16.15,15.65 16.18,15.58 16.15,15.51 15.68,15.04 15.11,15.58 15.68,16.12
DAC0_OUT on TOP (solid shape): 74.69,57.64 74.12,57.1 73.65,57.57 73.62,57.64 73.65,57.71 74.12,58.18
E7 on TOP (solid shape): 74.69,33.56 74.12,33.02 73.65,33.49 73.62,33.56 73.65,33.63 74.12,34.1
E11 on TOP (solid shape): 74.69,38.64 74.12,38.1 73.65,38.57 73.62,38.64 73.65,38.71 74.12,39.18
E26 on TOP (solid shape): 45.39,1.87 45.42,1.8 45.39,1.73 44.83,1.17 44.17,1.8 44.83,2.43
E26 on TOP (solid shape): 74.78,63.95 74.28,63.37 73.47,63.5 73.39,63.57 73.41,63.67 74.22,64.48
E27 on TOP (solid shape): 55.09,1.87 55.12,1.8 55.09,1.73 54.53,1.17 53.87,1.8 54.53,2.43
E28 on TOP (solid shape): 74.79,66.48 74.22,65.94 73.73,66.43 73.7,66.5 73.74,66.57 74.22,67.02
EXTAL32 on TOP (solid shape): 67.23,60.65 66.3,60.15 65.67,60.73 65.65,60.82 65.7,60.89 66.3,61.15
I2C_SCL on BOTTOM (solid shape): 21.7,74.1 21.73,74.17 21.81,74.2 22.72,74.06 22.28,73.58 21.8,73.14
I2C_SDA on TOP (solid shape): 16.15,76.61 16.18,76.54 16.15,76.47 15.68,76 15.11,76.54 15.68,77.08
I2C_SDA on BOTTOM (solid shape): 16.15,76.61 16.18,76.54 16.15,76.47 15.68,76 15.11,76.54 15.68,77.08
JTAG_TCLK on BOTTOM (solid shape): 7.11,37.63 7.14,37.56 7.11,37.49 6.64,37.02 6.07,37.56 6.64,38.1
JTAG_TDI on BOTTOM (solid shape): 7.12,32.57 7.16,32.5 7.13,32.43 6.64,31.94 6.07,32.48 6.64,33.02
JTAG_TDI on BOTTOM (solid shape): 8.86,32.05 8.83,31.97 8.76,31.94 7.78,32.04 8.22,32.52 8.7,32.96
JTAG_TDO on BOTTOM (solid shape): 7.11,42.71 7.14,42.64 7.11,42.57 6.64,42.1 6.07,42.64 6.64,43.18
JTAG_TMS on BOTTOM (solid shape): 7.13,35.07 7.16,35 7.12,34.93 6.64,34.48 6.07,35.02 6.64,35.56
JTAG_TMS on BOTTOM (solid shape): 8.8,34.5 8.77,34.43 8.69,34.4 7.78,34.54 8.22,35.02 8.7,35.46
NRF_IRQ on TOP (solid shape): 74.69,31.02 74.12,30.48 73.65,30.95 73.62,31.02 73.65,31.09 74.12,31.56
RMII0_MDC on TOP (solid shape): 16.15,79.15 16.18,79.08 16.15,79.01 15.68,78.54 15.11,79.08 15.68,79.62
RMII0_RXER on TOP (solid shape): 74.78,69.03 74.29,68.46 73.48,68.5 73.39,68.56 73.42,68.67 74.22,69.48
RMII0_TXD1 on TOP (solid shape): 74.79,86.8 74.22,86.26 73.75,86.73 73.72,86.8 73.75,86.87 74.22,87.34
RMII0_TXEN on TOP (solid shape): 81.39,69.43 81.46,69.46 81.53,69.43 82,68.96 81.46,68.39 80.92,68.96
RX+ on BOTTOM (solid shape): 63,73.8 63.03,73.88 63.11,73.9 64.01,73.72 63.57,73.24 63.1,72.8
RX+ on BOTTOM (solid shape): 83.58,78.29 82.95,77.69 82.41,78.23 82.38,78.3 82.41,78.37 82.95,78.89
RX- on BOTTOM (solid shape): 62.5,73.91 62.58,73.89 62.61,73.81 62.51,72.8 62.04,73.24 61.6,73.72
SDHC0_CMD on BOTTOM (solid shape): 79.6,18.68 78.63,18.69 78.55,19.54 78.57,19.62 78.65,19.65 79.58,19.65
SDHC0_D0 on TOP (solid shape): 74.69,25.94 74.13,25.4 73.62,25.82 73.58,25.9 73.61,25.97 74.12,26.48
SDHC0_DCLK on BOTTOM (solid shape): 82.14,18.69 81.17,18.66 80.85,19.52 80.87,19.61 80.95,19.65 82.12,19.65
SPI2_PCS1 on TOP (solid shape): 16.15,10.57 16.18,10.5 16.15,10.43 15.68,9.96 15.11,10.5 15.68,11.04
SYS_RESET# on BOTTOM (solid shape): 27.84,11.62 27.9,11.55 27.88,11.46 27.22,10.84 26.74,11.29 27.22,11.76
TX+ on BOTTOM (solid shape): 66,73.8 66.03,73.88 66.11,73.9 67.01,73.72 66.57,73.24 66.1,72.8
TX+ on BOTTOM (solid shape): 83.57,75.74 82.76,75.52 82.55,76.17 82.55,76.25 82.61,76.3 83.26,76.52
TX- on BOTTOM (solid shape): 65.5,73.91 65.58,73.89 65.61,73.81 65.51,72.8 65.04,73.24 64.6,73.72
TX- on BOTTOM (solid shape): 82.01,76.6 82.01,76.52 81.95,76.47 81.3,76.25 80.99,77.03 81.8,77.25
USB_DP on BOTTOM (solid shape): 10.37,83.83 10.34,83.75 10.26,83.73 9.36,83.94 9.8,84.41 10.27,84.85
XTAL32 on TOP (solid shape): 67.23,58.15 66.3,57.65 65.7,57.91 65.65,57.98 65.67,58.07 66.3,58.65
N11743922 on BOTTOM (solid shape): 5.09,63.26 5.11,63.18 5.05,63.11 4.31,62.9 3.72,63.51 4.38,63.98
N11779606 on BOTTOM (solid shape): 59.73,11.8 59.07,11.17 58.51,11.73 58.48,11.8 58.51,11.87 59.07,12.43
N11779606 on BOTTOM (solid shape): 44.04,10.86 44.06,10.77 44,10.7 43.33,10.56 42.98,11.08 43.33,11.58
N11830705 on BOTTOM (solid shape): 95.4,83.68 94.87,83.16 94.8,83.13 94.73,83.16 94.2,83.68 94.8,84.31
N11830709 on BOTTOM (solid shape): 94.73,77.24 94.8,77.27 94.87,77.24 95.4,76.72 94.8,76.09 94.2,76.72
N11846041 on TOP (solid shape): 82.93,23.97 83,24 83.07,23.97 83.75,23.26 83,22.93 82.25,23.26
N11846041 on TOP (solid shape): 83.75,23.93 83.07,23.22 83,23.19 82.93,23.22 82.25,23.93 83,24.26
N11846041 on BOTTOM (solid shape): 85.33,24.07 84.97,23.56 84.33,24.16 84.3,24.25 84.35,24.32 84.97,24.58
N11846725 on BOTTOM (solid shape): 88.16,37.8 87.68,37.34 87.05,37.93 87.03,38.02 87.08,38.09 87.68,38.26
N11846819 on TOP (solid shape): 88.52,39.34 89.15,39 87.6,38.87 87.51,38.91 87.47,39.01 87.65,39.6
N11846819 on BOTTOM (solid shape): 88.17,39.31 88.6,38.84 87.1,38.77 86.98,38.85 87,38.98 87.76,39.74
N11847009 on TOP (solid shape): 89.27,23.93 89.24,23.86 89.17,23.83 87.65,23.93 88.31,24.27 89.15,24.53
N11847033 on TOP (solid shape): 89.16,23.36 89.23,23.33 89.26,23.26 89.15,22.66 88.31,22.92 87.65,23.26
N11847033 on BOTTOM (solid shape): 88.56,21.35 88.53,21.27 88.46,21.24 87.48,21.34 87.92,21.82 88.4,22.26
N11851653 on BOTTOM (solid shape): 83.82,29.76 83.38,29.28 82.9,28.84 82.78,29.75 82.81,29.83 82.88,29.86
N11851673 on BOTTOM (solid shape): 81.86,29.3 81.38,28.84 80.79,29.39 80.77,29.48 80.81,29.55 81.38,29.76
N11851788 on TOP (solid shape): 82.93,31.74 83,31.77 83.07,31.74 83.75,31.03 83,30.7 82.25,31.03
N11851788 on TOP (solid shape): 83.75,31.7 83.07,30.99 83,30.96 82.93,30.99 82.25,31.7 83,32.03
N11852378 on BOTTOM (solid shape): 88.62,31.85 88.59,31.77 88.52,31.74 87.58,31.84 88.02,32.32 88.5,32.76
N11852402 on TOP (solid shape): 88.33,30.47 88.4,30.5 88.47,30.47 89.15,29.76 88.4,29.43 87.65,29.76
N11852402 on TOP (solid shape): 89.15,30.43 88.47,29.72 88.4,29.69 88.33,29.72 87.65,30.43 88.4,30.76
N117249410 on BOTTOM (solid shape): 44.52,13.51 44.59,13.43 44.56,13.32 43.83,12.59 43.4,13.09 43.74,13.76
N117439961 on TOP (solid shape): 1.99,56.99 1.57,56.49 1.5,56.47 1.44,56.49 0.98,56.99 1.48,57.63
N117439961 on BOTTOM (solid shape): 2.2,57.14 1.57,56.47 1.47,56.45 1.4,56.51 1.28,57.14 1.74,57.62
N117484001 on TOP (solid shape): 1.99,54.59 1.55,54.1 1.48,54.08 1.42,54.1 0.98,54.59 1.48,55.23
N117484001 on BOTTOM (solid shape): 2.2,54.74 1.57,54.07 1.47,54.05 1.4,54.11 1.28,54.74 1.74,55.22
N117792531 on BOTTOM (solid shape): 39.16,10.76 39.13,10.68 39.06,10.64 38,10.74 38.44,11.22 38.92,11.66
N118213551 on TOP (solid shape): 92.11,65.68 91.56,65.09 91.5,65.07 91.44,65.09 90.89,65.68 91.5,66.21
N118221931 on TOP (solid shape): 92.11,59.68 91.56,59.09 91.5,59.07 91.44,59.09 90.89,59.68 91.5,60.21
N118222651 on TOP (solid shape): 92.11,53.58 91.56,52.99 91.5,52.97 91.44,52.99 90.89,53.58 91.5,54.11
N118223381 on TOP (solid shape): 92.21,47.68 91.67,47.09 91.6,47.07 91.53,47.09 90.99,47.68 91.6,48.21
N124224871 on TOP (solid shape): 21.69,94.69 21.72,94.62 21.69,94.54 21.21,94.11 20.57,94.62 21.21,95.12
N124224871 on BOTTOM (solid shape): 21.68,94.74 21.76,94.65 21.74,94.54 21.06,93.9 20.57,94.35 21.06,94.82
N124285301 on TOP (solid shape): 18.63,94.62 17.99,94.11 17.51,94.54 17.48,94.62 17.51,94.69 17.99,95.12
N124285301 on BOTTOM (solid shape): 18.63,94.35 18.14,93.9 17.46,94.54 17.44,94.65 17.52,94.74 18.14,94.82

Small or netless copper shapes (teardrops, artwork), in the pictures only: 395 on TOP, 417 on BOTTOM

## Text on the board
Ref Des/Silkscreen Bottom: OTG | USB
Ref Des/Silkscreen Top: OFF-ON | PB8 | PB10 | PB16 | PB18 | PB20 | PB22 | PC0 | PC2 | PC4 | PC6 | PC8 | PC10 | PC12 | PC14 | PC16 | PC18 | PD0 | PD2 | PD4 | PD6 | PD8 | PD10 | PD12 | PD14 | VCC | PB9 | PB11 | PB17 | PB19 | PB21 | PB23 | PC1 | PC3 | PC5 | PC7 | PC9 | PC11 | PC13 | PC15 | PC17 | PC19 | PD1 | PD3 | PD5 | PD7 | PD9 | PD11 | PD13 | PD15 | GND | RESET | PA24 | PA26 | PA28 | PB0 | PB2 | PB4 | PB6 | PA25 | PA27 | PA29 | PB1 | PB3 | PB5 | PB7 | NAME:MK60_PACK_V10A.BRD | DATE:2016_05_17 | BY:XXXLZJXXX | KEY1 | KEY2 | KEY3 | DAC0 | AD1S16 | AD1DP0 | AD0DP0 | AD1DP1 | AD0DP1 | CRSDV | PA16 | PA11 | RMII | RXD0 | RXD1 | PA10 | PA8 | PA6 | PA4 | PE26 | PE24 | PE11 | PE9 | PE7 | PE5 | PE3 | PE1 | DAC1 | VREF | AD0S16 | AD1DM0 | AD0DM0 | AD1DM1 | AD0DM1 | PA17 | PA15 | PA14 | PA13 | PA12 | PA9 | PA7 | PA5 | PE28 | PE27 | PE25 | PE12 | PE10 | PE8 | PE6 | PE4 | PE2 | PE0 | L | H | B | A | AD1 | AD2 | DEBUG | USB | HOST | 3.3V | 5V | RST | TDO | TCLK | TMS | TDI
DIMENSION: FIGURE | SIZE | 0.3048 | 0.889 | 0.9 | 0.9652 | 1.0008 | 1.016 | 1.524 | 1.7 | 2.3 | 3.4036 | 3.3 | 2.4x0.8 | DRILL CHART: TOP to BOTTOM | ALL UNITS ARE IN MILLIMETERS | PLATED | NON-PLATED | QTY | 624 | 50 | 1 | 3 | 8 | 12 | 7 | 157 | 2 | 4
